# Altium PCB IIS_PCB.PcbDoc (part 2 of 3)
Units mil, origin at the board's own origin, x right, y up, seen from the top; angles counter-clockwise.
Board outline 5785 x 8565 mil, 6 copper layers (Top Layer, PWR Plane, Layer 1, Layer 2, GND Plane, Bottom Layer), stack 39 mil thick; 200 components, 151 nets, 747 pads, 194 vias.
Unrouted connection lines stored in the file: 14.
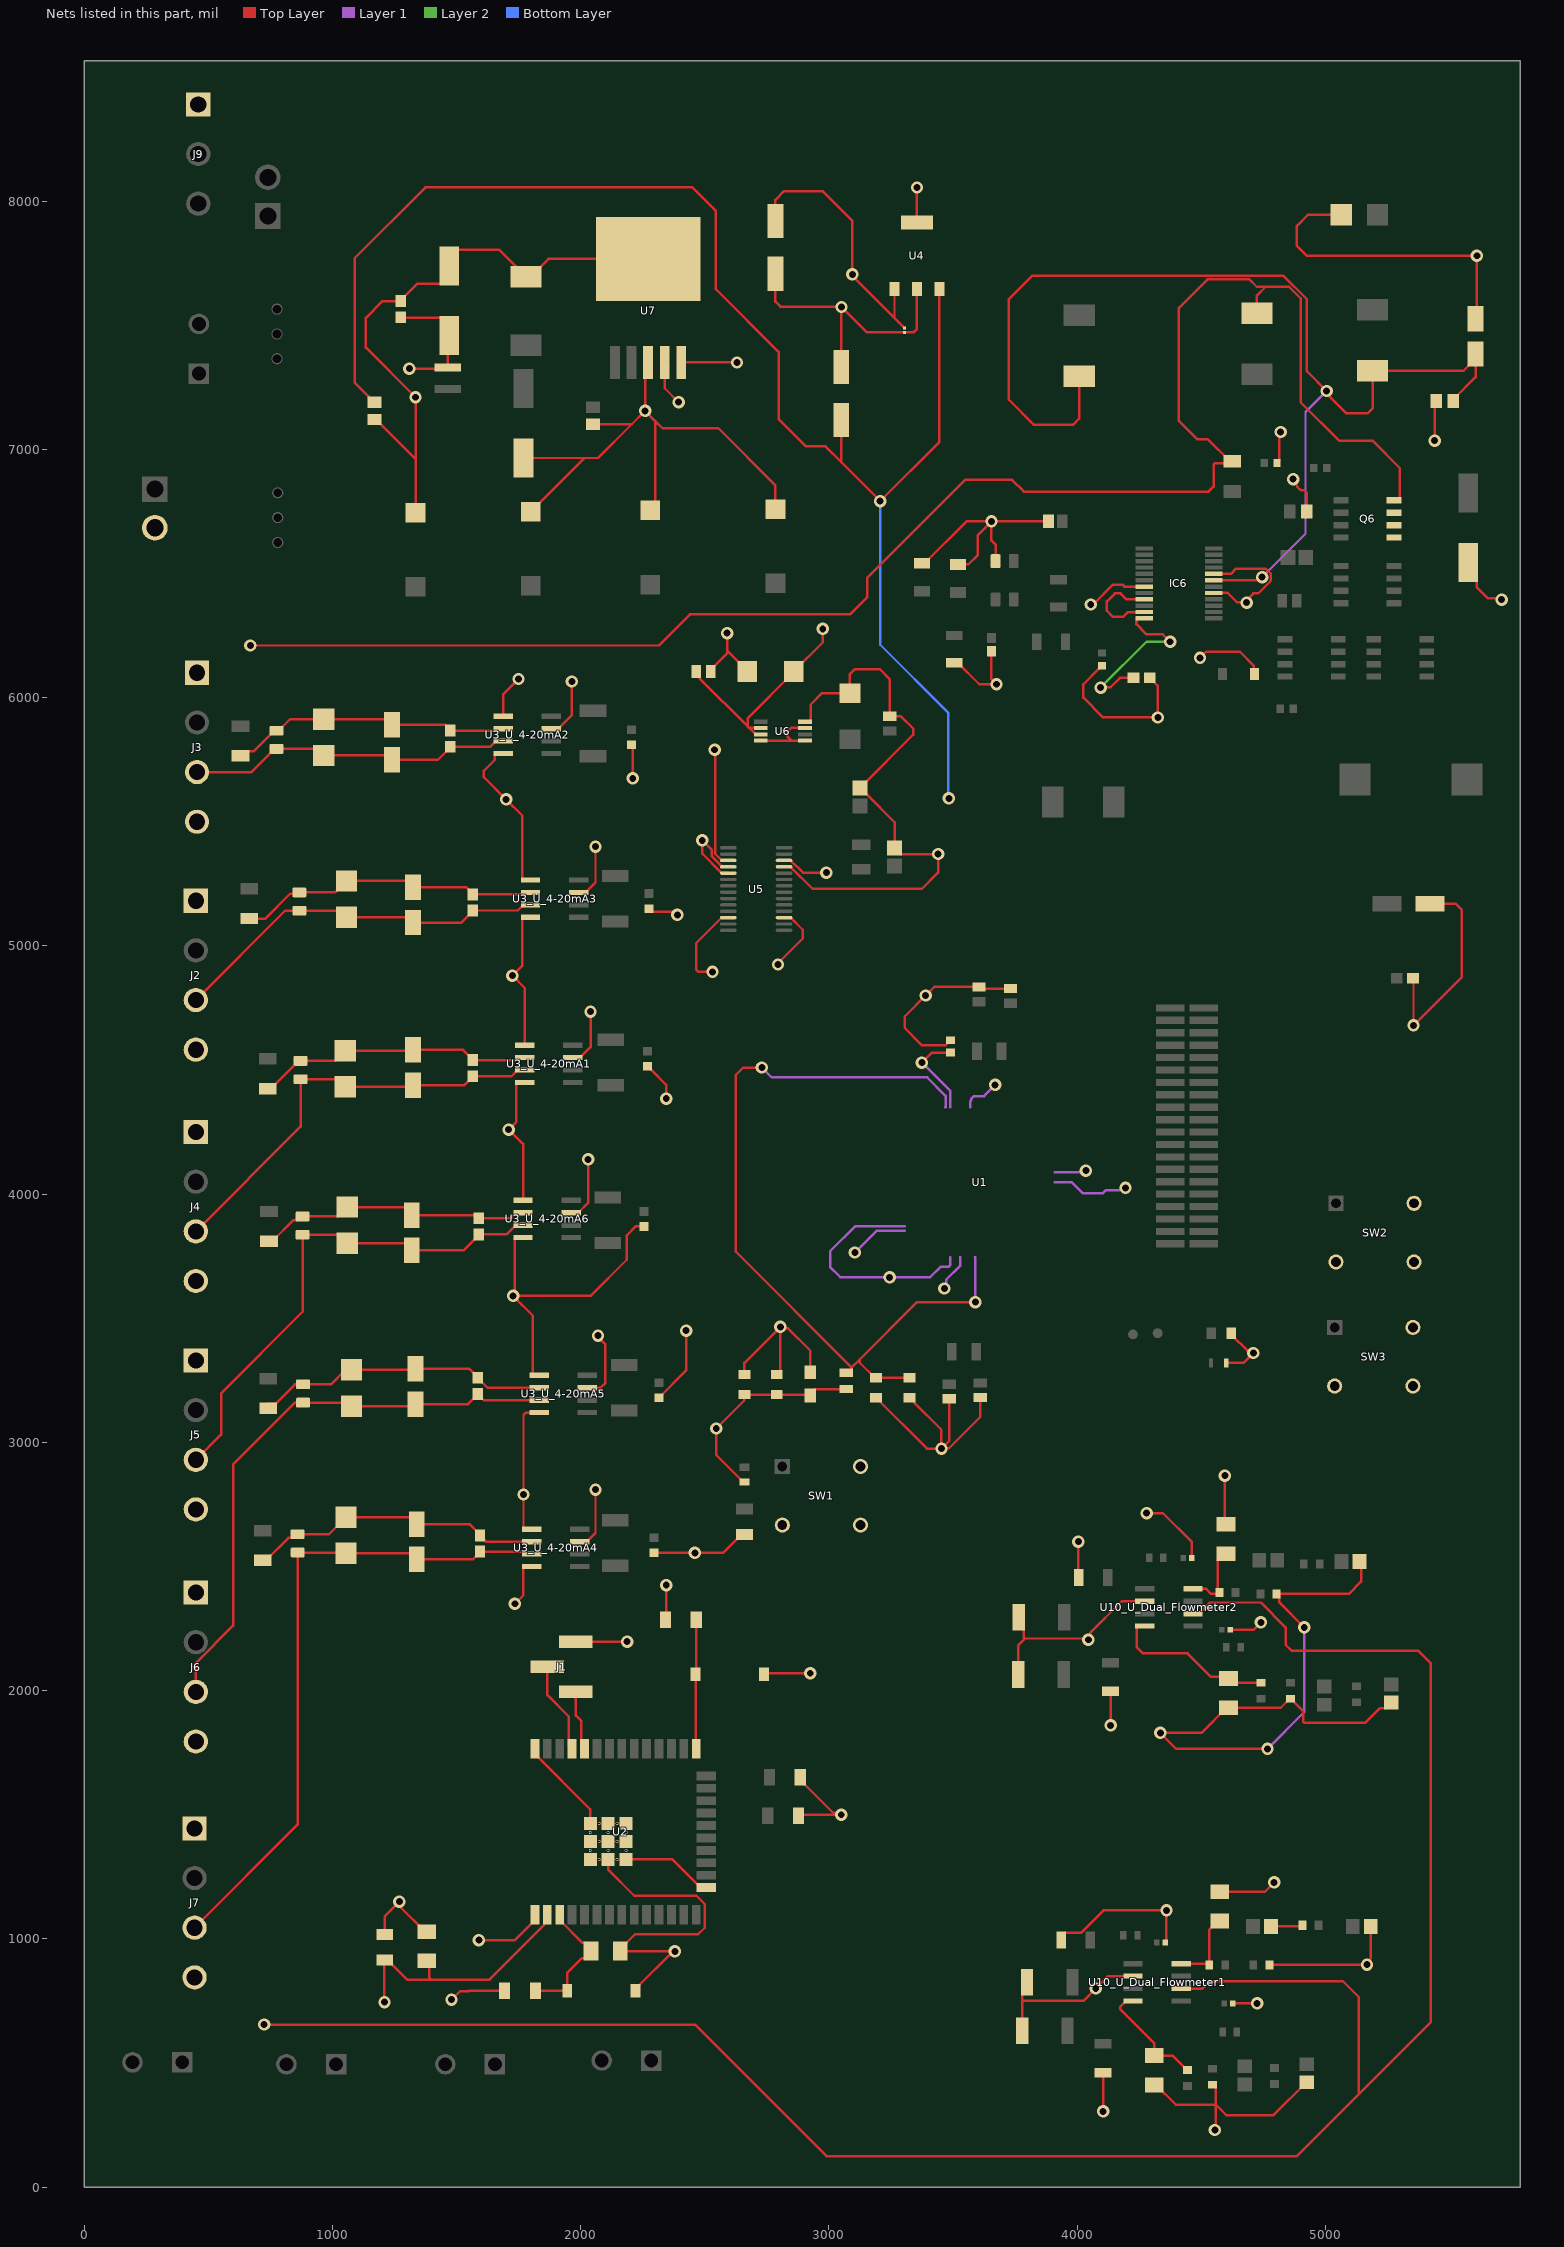
[diagram p6: the nets of this part, all layers, seen from the top]

## Part data (continued)
C12_U_4-20mA1 C12_U_4-20mA2 C12_U_4-20mA3 C12_U_4-20mA4 C12_U_4-20mA5 C12_U_4-20mA6 C18 C19 C23: "Multilayer Ceramic Capacitors (MLCC) - SMD/SMT 50volts 0.1uF X7R 10%", Capacitance=100nF, Case Code (Imperial)=0603, Case Code (Metric)=1608, Dielectric=X7R, Dielectric Material=Ceramic, Manufacturer=KEMET, Max Operating Temperature=125°C, Min Operating Temperature=-55°C, Package Quantity=1, Supplier Part Number 1=399-C0603C104K5RAC7867CT-ND, Tolerance=10%, Voltage=50V, Case/Package=0603, Category="Ceramic Capacitors", ComponentLink1Description=https://datasheet.ciiva.com/7823/kem-c1002-x7r-smd-7823591.pdf?src-supplier=Element14, ComponentLink1URL=https://datasheet.ciiva.com/7823/kem-c1002-x7r-smd-7823591.pdf?src-supplier=Element14, ComponentLink2Description=https://datasheet.ciiva.com/7823/kem-c1002-x7r-smd-7823592.pdf?src-supplier=Element14, ComponentLink2URL=https://datasheet.ciiva.com/7823/kem-c1002-x7r-smd-7823592.pdf?src-supplier=Element14, ComponentLink3Description=https://datasheet.ciiva.com/5999/kem-c1002-x7r-smd-5999400.pdf?src-supplier=Farnell, ComponentLink3URL=https://datasheet.ciiva.com/5999/kem-c1002-x7r-smd-5999400.pdf?src-supplier=Farnell, ComponentLink4Description=https://datasheet.ciiva.com/28645/1851736-28645640.pdf?src-supplier=Element14, ComponentLink4URL=https://datasheet.ciiva.com/28645/1851736-28645640.pdf?src-supplier=Element14, ComponentLink5Description=https://datasheet.ciiva.com/14585/70095383-14585209.pdf?src-supplier=Allied+Electronics, ComponentLink5URL=https://datasheet.ciiva.com/14585/70095383-14585209.pdf?src-supplier=Allied+Electronics, ComponentLink6Description=https://datasheet.ciiva.com/14602/70095383-14602583.pdf?src-supplier=Allied+Electronics, ComponentLink6URL=https://datasheet.ciiva.com/14602/70095383-14602583.pdf?src-supplier=Allied+Electronics, Contact Plating=Tin,Matte, Depth=0.8mm, Dissipation Factor=2.5%, Height=0.8mm, Lead Pitch=0.7mm, Length=0.063inch, Manufacturer Part Number=C0603C104K5RACTU, Mount="Surface Mount", Number of Pins=2, Packaging="Tape and Reel", Pricing 1="1=0.12000, 10=0.08500, 50=0.04620, 100=0.03770, 500=0.02696, 1000=0.02118 (USD)", Radiation Hardening=No, REACH SVHC="No SVHC", RoHS=Yes, RoHS Compliant=Yes, Series="SMD Comm X7R", Stock 1=10133409, Supplier 1=Digi-Key, Termination=SMD/SMT, Thickness=0.034inch, Voltage Rating=50V, Voltage Rating (DC)=50V, Width=0.031inch
C13 C14: library part C0603C104K5RACTU, "Multilayer Ceramic Capacitors (MLCC) - SMD/SMT 50volts 0.1uF X7R 10%", Capacitance=100nF, Case Code (Imperial)=0603, Case Code (Metric)=1608, Dielectric=X7R, Dielectric Material=Ceramic, Manufacturer=KEMET, Max Operating Temperature=125°C, Min Operating Temperature=-55°C, Package Quantity=1, Supplier Part Number 1=399-C0603C104K5RAC7867CT-ND, Tolerance=10%, Voltage=50V, Case/Package=0603, Category="Ceramic Capacitors", ComponentLink1Description=https://datasheet.ciiva.com/7823/kem-c1002-x7r-smd-7823591.pdf?src-supplier=Element14, ComponentLink1URL=https://datasheet.ciiva.com/7823/kem-c1002-x7r-smd-7823591.pdf?src-supplier=Element14, ComponentLink2Description=https://datasheet.ciiva.com/7823/kem-c1002-x7r-smd-7823592.pdf?src-supplier=Element14, ComponentLink2URL=https://datasheet.ciiva.com/7823/kem-c1002-x7r-smd-7823592.pdf?src-supplier=Element14, ComponentLink3Description=https://datasheet.ciiva.com/5999/kem-c1002-x7r-smd-5999400.pdf?src-supplier=Farnell, ComponentLink3URL=https://datasheet.ciiva.com/5999/kem-c1002-x7r-smd-5999400.pdf?src-supplier=Farnell, ComponentLink4Description=https://datasheet.ciiva.com/28645/1851736-28645640.pdf?src-supplier=Element14, ComponentLink4URL=https://datasheet.ciiva.com/28645/1851736-28645640.pdf?src-supplier=Element14, ComponentLink5Description=https://datasheet.ciiva.com/14585/70095383-14585209.pdf?src-supplier=Allied+Electronics, ComponentLink5URL=https://datasheet.ciiva.com/14585/70095383-14585209.pdf?src-supplier=Allied+Electronics, ComponentLink6Description=https://datasheet.ciiva.com/14602/70095383-14602583.pdf?src-supplier=Allied+Electronics, ComponentLink6URL=https://datasheet.ciiva.com/14602/70095383-14602583.pdf?src-supplier=Allied+Electronics, Contact Plating=Tin,Matte, Depth=0.8mm, Dissipation Factor=2.5%, Height=0.8mm, Lead Pitch=0.7mm, Length=0.063inch, Manufacturer Part Number=C0603C104K5RACTU, Mount="Surface Mount", Number of Pins=2, Packaging="Tape and Reel", Pricing 1="1=0.12000, 10=0.08500, 50=0.04620, 100=0.03770, 500=0.02696, 1000=0.02118 (USD)", Radiation Hardening=No, REACH SVHC="No SVHC", RoHS=Yes, RoHS Compliant=Yes, Series="SMD Comm X7R", Stock 1=10133409, Supplier 1=Digi-Key, Termination=SMD/SMT, Thickness=0.034inch, Voltage Rating=50V, Voltage Rating (DC)=50V, Width=0.031inch
C15 C17: "47ÂµF 35V Aluminum Electrolytic Capacitors Radial, Can - SMD 1000 Hrs @ 105Â°C", Package="RADIAL-2 Panasonic", Availability="In Stock", Check_prices=https://www.snapeda.com/parts/EEE-HA1V470AP/Panasonic/view-part/?ref=eda, MF=Panasonic, MP=EEE-HA1V470AP, Price=None, Purchase-URL=https://pricing.snapeda.com/search/part/EEE-HA1V470AP/?ref=eda, SnapEDA_Link=https://www.snapeda.com/parts/EEE-HA1V470AP/Panasonic/view-part/?ref=snap
C16 C44 C53: "0.1ÂµF Â±20% 50V Ceramic Capacitor Z5U 0805 _2012 Metric_", Package="2012 KEMET", Supplier Part Number 1=80-C0805C104Z5V, Availability=Unavailable, MF=KEMET, MP=C0805C104M5UACTU, Price=None, SnapEDA_Link=https://www.snapeda.com/parts/C0805C104M5UACTU/KEMET/view-part/455200/?ref=snap, Supplier 1=Mouser
C20_U_4-20mA1 C20_U_4-20mA2 C20_U_4-20mA3 C20_U_4-20mA4 C20_U_4-20mA5 C20_U_4-20mA6 C29: "Cap Aluminum Lytic 4.7uF 35V 20% (4 X 5.8mm) SMD 80mA 2000h 105C Automotive T/R", Capacitance=4.7uF, Case/Package=Radial, Dielectric Material=Aluminium, Leakage Current=3uA, Manufacturer=Nichicon, Max Operating Temperature=105°C, Min Operating Temperature=-55°C, Package Quantity=2000, Ripple Current=80mA, Supplier Part Number 1=493-2281-1-ND, Tolerance=20%, Voltage Rating=35V, Category="Aluminum Electrolytic Capacitors", ComponentLink1Description=https://datasheet.ciiva.com/96/e-ud-96647.pdf?src-supplier=Digi-Key, ComponentLink1URL=https://datasheet.ciiva.com/96/e-ud-96647.pdf?src-supplier=Digi-Key, ComponentLink2Description=https://datasheet.ciiva.com/96/e-ud-96648.pdf?src-supplier=Digi-Key, ComponentLink2URL=https://datasheet.ciiva.com/96/e-ud-96648.pdf?src-supplier=Digi-Key, ComponentLink3Description=https://datasheet.ciiva.com/96/e-ud-96649.pdf?src-supplier=Digi-Key, ComponentLink3URL=https://datasheet.ciiva.com/96/e-ud-96649.pdf?src-supplier=Digi-Key, ComponentLink4Description=https://datasheet.ciiva.com/5360/e-ud-5360520.pdf?src-supplier=Mouser, ComponentLink4URL=https://datasheet.ciiva.com/5360/e-ud-5360520.pdf?src-supplier=Mouser, ComponentLink5Description=https://datasheet.ciiva.com/11687/e-ud-11687388.pdf?src-supplier=Avnet, ComponentLink5URL=https://datasheet.ciiva.com/11687/e-ud-11687388.pdf?src-supplier=Avnet, ComponentLink6Description=https://datasheet.ciiva.com/16383/e-ud-16383407.pdf?src-supplier=Future+Electronics, ComponentLink6URL=https://datasheet.ciiva.com/16383/e-ud-16383407.pdf?src-supplier=Future+Electronics, ComponentLink7Description=https://datasheet.ciiva.com/7793/e-ud-7793429.pdf?src-supplier=Element14, ComponentLink7URL=https://datasheet.ciiva.com/7793/e-ud-7793429.pdf?src-supplier=Element14, ComponentLink8Description=https://datasheet.ciiva.com/17354/e-ud-17354680.pdf?src-supplier=Avnet+Europe, ComponentLink8URL=https://datasheet.ciiva.com/17354/e-ud-17354680.pdf?src-supplier=Avnet+Europe, Construction=Cylindrical, Diameter=4mm, Dissipation Factor=0.12%, Height=5.8mm, Height - Seated (Max)=0.228inch, Impedance=1.8R, Lead Free="Lead Free", Length=5.8mm, Life (Hours)=2000Hour, Manufacturer Part Number=UUD1V4R7MCL1GS, Number of Pins=2, Packaging="Tape and Reel", Pricing 1="1=0.51000, 10=0.35600, 50=0.24960, 100=0.21390, 500=0.16042, 1000=0.13547 (USD)", Radiation Hardening=No, REACH SVHC="No SVHC", Ripple Current (AC)=80mA, RoHS=Yes, RoHS Compliant=Yes, Series=UUD, Stock 1=5341, Supplier 1=Digi-Key, Termination=SMD/SMT, Voltage Rating (DC)=35V
C21_U_Dual_Flowmeter1 C21_U_Dual_Flowmeter2 C22_U_Dual_Flowmeter1 C22_U_Dual_Flowmeter2: "CAPACITOR SMD Multilayer Ceramic MLCC 1206 Case 2200pF ±10% 50Vdc X7R Dielectric -55°C~+125°C T/R", Capacitance=2.2nF, Case Code (Imperial)=1206, Case Code (Metric)=3216, Dielectric=X7R, Dielectric Material=Ceramic, Manufacturer=KEMET, Max Operating Temperature=125°C, Min Operating Temperature=-55°C, Package Quantity=1, Supplier Part Number 1=399-C1206C222K5RAC7800CT-ND, Tolerance=10%, Voltage=50V, Case/Package=1206, Category="Ceramic Capacitors", ComponentLink1Description=https://datasheet.ciiva.com/14589/70095383-14589254.pdf?src-supplier=Allied+Electronics, ComponentLink1URL=https://datasheet.ciiva.com/14589/70095383-14589254.pdf?src-supplier=Allied+Electronics, ComponentLink2Description=https://datasheet.ciiva.com/14606/70095383-14606284.pdf?src-supplier=Allied+Electronics, ComponentLink2URL=https://datasheet.ciiva.com/14606/70095383-14606284.pdf?src-supplier=Allied+Electronics, ComponentLink3Description=https://datasheet.ciiva.com/28693/1851736-28693015.pdf?src-supplier=Element14, ComponentLink3URL=https://datasheet.ciiva.com/28693/1851736-28693015.pdf?src-supplier=Element14, ComponentLink4Description=https://datasheet.ciiva.com/46443/1851736-46443542.pdf?src-supplier=Element14, ComponentLink4URL=https://datasheet.ciiva.com/46443/1851736-46443542.pdf?src-supplier=Element14, ComponentLink5Description=https://datasheet.ciiva.com/46385/1851736-46385639.pdf?src-supplier=Element14, ComponentLink5URL=https://datasheet.ciiva.com/46385/1851736-46385639.pdf?src-supplier=Element14, Construction=Flat, Depth=1.6mm, Height=0.78mm, Length=3.2mm, Manufacturer Part Number=C1206C222K5RACTU, Mount="Surface Mount,PCB", Packaging="Tape and Reel", Pricing 1="1=0.23000, 10=0.16000, 50=0.09600, 100=0.08110, 500=0.05548, 1000=0.04908 (USD)", Radiation Hardening=No, REACH SVHC="No SVHC", RoHS=Yes, RoHS Compliant=Yes, Series=C, Stock 1=27147, Supplier 1=Digi-Key, Termination=SMD/SMT, Thickness=0.035inch, Voltage Rating=50V, Voltage Rating (DC)=50V, Width=0.063inch
C24: "Aluminum Electrolytic Capacitor, 22uF 35 V, UD Series 2000h 5 (Dia.) x 5.8mm", Capacitance=22uF, Case/Package=Radial, Dielectric Material=Aluminium, Leakage Current=3uA, Manufacturer=Nichicon, Max Operating Temperature=105°C, Min Operating Temperature=-55°C, Package Quantity=1, Ripple Current=150mA, Supplier Part Number 1=647-UUD1V220MCL, Tolerance=20%, Voltage=35V, Category="Aluminum Electrolytic Capacitors", ComponentLink1Description=https://datasheet.ciiva.com/96/e-ch-ta-96798.pdf?src-supplier=Digi-Key, ComponentLink1URL=https://datasheet.ciiva.com/96/e-ch-ta-96798.pdf?src-supplier=Digi-Key, ComponentLink2Description=https://datasheet.ciiva.com/96/e-uud-96799.pdf?src-supplier=Digi-Key, ComponentLink2URL=https://datasheet.ciiva.com/96/e-uud-96799.pdf?src-supplier=Digi-Key, ComponentLink3Description=https://datasheet.ciiva.com/96/e-ch-ref-96800.pdf?src-supplier=Digi-Key, ComponentLink3URL=https://datasheet.ciiva.com/96/e-ch-ref-96800.pdf?src-supplier=Digi-Key, Diameter=5mm, Dissipation Factor=0.12%, Features="General Purpose", Height=5.8mm, Height - Seated (Max)=0.228inch, Impedance=760mR, Lead Diameter=0.8mm, Lead Free="Lead Free", Lead Pitch=1.3mm, Length=5.8mm, Life (Hours)=2000Hour, Manufacturer Part Number=UUD1V220MCL1GS, Number of Pins=2, Packaging="Tape and Reel", Polarity=Polar, Pricing 1="1=0.48000, 10=0.30200, 50=0.30200, 100=0.22000, 1000=0.16500, 10000=0.13800 (USD)", Radiation Hardening=No, REACH SVHC="No SVHC", Ripple Current (AC)=150mA, RoHS=Yes, RoHS Compliant=Yes, Stock 1=145, Supplier 1=Mouser, Termination=SMD/SMT, Voltage Rating=35V, Voltage Rating (DC)=35V
C25_U_Dual_Flowmeter1 C25_U_Dual_Flowmeter2 C26_U_Dual_Flowmeter1 C26_U_Dual_Flowmeter2 C27_U_Dual_Flowmeter1 C27_U_Dual_Flowmeter2 C28_U_Dual_Flowmeter1 C28_U_Dual_Flowmeter2: "0805 10 uF 25 V ±10% Tolerance X5R SMT Multilayer Ceramic Capacitor", Capacitance=10uF, Case Code (Imperial)=0805, Case Code (Metric)=2012, Dielectric=X5R, Manufacturer=Murata, Max Operating Temperature=85°C, Min Operating Temperature=-55°C, Package Quantity=1, Supplier Part Number 1=81-GRM21BR61E106KA3L, Tolerance=10%, Voltage=25V, Case/Package=0805, Category="Ceramic Capacitors", ComponentLink1Description=https://datasheet.ciiva.com/22774/1747469-22774396.pdf?src-supplier=Farnell, ComponentLink1URL=https://datasheet.ciiva.com/22774/1747469-22774396.pdf?src-supplier=Farnell, ComponentLink2Description=https://datasheet.ciiva.com/5424/product-5424327.pdf?src-supplier=Mouser, ComponentLink2URL=https://datasheet.ciiva.com/5424/product-5424327.pdf?src-supplier=Mouser, ComponentLink3Description=https://datasheet.ciiva.com/16440/grm21br61e106ka73l-16440627.pdf?src-supplier=Future+Electronics, ComponentLink3URL=https://datasheet.ciiva.com/16440/grm21br61e106ka73l-16440627.pdf?src-supplier=Future+Electronics, ComponentLink4Description=https://datasheet.ciiva.com/28584/626718-28584288.pdf?src-supplier=Element14, ComponentLink4URL=https://datasheet.ciiva.com/28584/626718-28584288.pdf?src-supplier=Element14, ComponentLink5Description=https://datasheet.ciiva.com/29199/454623-da-01-en-vs-kondensator-0805-29199615.pdf?src-supplier=Conrad, ComponentLink5URL=https://datasheet.ciiva.com/29199/454623-da-01-en-vs-kondensator-0805-29199615.pdf?src-supplier=Conrad, ComponentLink6Description=https://datasheet.ciiva.com/139/partnumbering-e-01-139182.pdf?src-supplier=Digi-Key, ComponentLink6URL=https://datasheet.ciiva.com/139/partnumbering-e-01-139182.pdf?src-supplier=Digi-Key, ComponentLink7Description=https://datasheet.ciiva.com/139/partnumbering-e-01-139183.pdf?src-supplier=Digi-Key, ComponentLink7URL=https://datasheet.ciiva.com/139/partnumbering-e-01-139183.pdf?src-supplier=Digi-Key, ComponentLink8Description=https://datasheet.ciiva.com/139/partnumbering-e-01-139184.pdf?src-supplier=Digi-Key, ComponentLink8URL=https://datasheet.ciiva.com/139/partnumbering-e-01-139184.pdf?src-supplier=Digi-Key, ComponentLink9Description=https://datasheet.ciiva.com/28584/626718-28584279.pdf?src-supplier=Element14, ComponentLink9URL=https://datasheet.ciiva.com/28584/626718-28584279.pdf?src-supplier=Element14, ComponentLink10Description=https://datasheet.ciiva.com/7719/1747469-7719093.pdf?src-supplier=Element14, ComponentLink10URL=https://datasheet.ciiva.com/7719/1747469-7719093.pdf?src-supplier=Element14, ComponentLink11Description=https://datasheet.ciiva.com/14116/grmseries-highdielectrictype-eng-14116376.pdf?src-supplier=Distrelec, ComponentLink11URL=https://datasheet.ciiva.com/14116/grmseries-highdielectrictype-eng-14116376.pdf?src-supplier=Distrelec, Construction=Flat, Depth=1.25mm, Height=1.25mm, Lead Free="Lead Free", Length=2mm, Manufacturer Part Number=GRM21BR61E106KA73L, Material=Ceramic, Mount="Surface Mount", Packaging="Tape and Reel", Pricing 1="1=0.24000, 10=0.16400, 50=0.16400, 100=0.08400, 1000=0.08400, 6000=0.07600, 9000=0.06200, 10000=0.06200, 24000=0.05400 (USD)", Radiation Hardening=No, REACH SVHC=Unknown, RoHS=Yes, RoHS Compliant=Yes, Series=GRM, Stock 1=513087, Supplier 1=Mouser, Termination=SMD/SMT, Thickness=0.053inch, Voltage Rating=25V, Voltage Rating (DC)=25V, Width=0.049inch
C31 C32 C33 C34: "ÐšÐ Ð«Ð¨ÐšÐ ÐšÐ›Ð®Ð§Ð•Ð’ÐÐ¯ 1000 Ð¼ÐºÐ¤ 20% 25 Ð’ Ð´Ð»Ñ Ð¿Ð¾Ð²ÐµÑ€Ñ…Ð½Ð¾ÑÑ‚Ð½Ð¾Ð³Ð¾ Ð¼Ð¾Ð½Ñ‚Ð°Ð¶Ð°", Package="RADIAL-2 Panasonic", Availability="In Stock", Check_prices=https://www.snapeda.com/parts/EEE-FT1E102UV/Panasonic/view-part/6178335/?ref=eda, MF="Panasonic Electronic Components", MP=EEE-FT1E102UV, Price=None, Purchase-URL=https://pricing.snapeda.com/search/part/EEE-FT1E102UV/?ref=eda, SnapEDA_Link=https://www.snapeda.com/parts/EEE-FT1E102UV/Panasonic/view-part/6178335/?ref=snap
C41: library part CMP-05427-000013-1, "CAP ALUM 220UF 20% 25V SMD", Capacitance=220uF, Leakage Current=55uA, Manufacturer=Panasonic, Package=HAF, Ripple Current=160mA, Temperature="-40°C to +105°C", Temperature Range High=+105°C, Temperature Range Low=-40°C, Tolerance=20%, Voltage=25V, Automotive=No, Category=Cap, ComponentLink2Description=Datasheet, ComponentLink2URL=https://industrial.panasonic.com/cdbs/www-data/pdf/RDE0000/ABA0000C1151.pdf, Device Class L1="Passive Components", Device Class L2=Capacitors, Device Class L3="Aluminum Electrolytic Capacitors", Digikey Description="CAP ALUM 220UF 20% 25V SMD", Dissipation Factor=16%, Height=10.5mm, Lead Free=Yes, Life=1000Hours, Manufacturer Part Number=EEE-HA1E221UP, Material=Aluminum, Mouser Description="Aluminum Electrolytic Capacitors - SMD 220UF 25V ELECT HA SMD", Octopart=https://octopart.com/eee-ha1e221up-panasonic-39481261, RoHS=TRUE, Voltage Rating=25V
C45: library part CMP-1036-04064-2, "CAP CER 0.022UF 50V X7R 0805", Capacitance="22 nF", Manufacturer=Yageo, Package=CC0805-0.85, Temperature="-30°C to +85°C", Temperature Characteristic=X7R, Temperature Range High=+85°C, Temperature Range Low=-30°C, Tolerance=0.1, Voltage Rating="50 V", Automotive=No, Category=Cap, ComponentLink2Description=Datasheet, ComponentLink2URL=http://www.yageo.com/documents/recent/UPY-GPHC_Y5V_6.3V-to-50V_8.pdf, Device Class L1="Passive Components", Device Class L2=Capacitors, Device Class L3="Ceramic Capacitors", Digikey Description="CAP CER 0.022UF 50V X7R 0805", Footprint Url=http://www.yageo.com/exep/pages/download/literatures/UPY-C_GEN_24.pdf, Height=0.95mm, Ipc Land Pattern Name=CAPC200125X85, Lead Free=Yes, Manufacturer Part Number=CC0805KRX7R9BB223, Material=Ceramic, Mouser Description="Multilayer Ceramic Capacitors MLCC - SMD/SMT 22nF 50V X7R 10%", Octopart=https://octopart.com/cc0805krx7r9bb223-yageo-39467761, RoHS=TRUE
C46 C48: library part CMP-1036-04552-2, "CAP CER 0.22UF 50V X7R 0805", Capacitance="0.22 μF", Manufacturer=KEMET, Package=C0805C-DN, Temperature="-55°C to +125°C", Temperature Characteristic=X7R, Temperature Coefficient=30ppm/°C, Temperature Range High=+125°C, Temperature Range Low=-55°C, Tolerance=0.1, Voltage Rating="50 V", Automotive=No, Category=Cap, ComponentLink2Description=Datasheet, ComponentLink2URL=https://content.kemet.com/datasheets/KEM_C1003_C0G_SMD.pdf, Device Class L1="Passive Components", Device Class L2=Capacitors, Device Class L3="Ceramic Capacitors", Digikey Description="CAP CER 0.22UF 50V X7R 0805", Height=0.88mm, Ipc Land Pattern Name=CAPC200125X78, Lead Free=Yes, Manufacturer Part Number=C0805C224K5RACTU, Material=Ceramic, Mouser Description="CAP CER 0.22UF 50V X7R 0805", Octopart=https://octopart.com/c0805c224k5ractu-kemet-144670, RoHS=TRUE
C47: library part CMP-03020-008221-1, "1206 C 68pF Ceramic Multilayer Capacitor; 50 VDC; +125degC; C0G Dielec; +/-5%", Capacitance="68 pF", Manufacturer=KEMET, Package=C1206C-EB, Temperature="-55°C to +150°C", Temperature Characteristic=C0G, Temperature Coefficient=15%, Temperature Range High=+150°C, Temperature Range Low=-55°C, Tolerance=0.05, Voltage Rating="50 V", Automotive=Yes, Automotive Grade="Grade 0", Category=Cap, ComponentLink2Description=Datasheet, ComponentLink2URL=https://content.kemet.com/datasheets/KEM_C1007_X8R_ULTRA_150C_SMD.pdf, Device Class L1="Passive Components", Device Class L2=Capacitors, Device Class L3="Ceramic Capacitors", Digikey Description="1206 C 68pF Ceramic Multilayer Capacitor; 50 VDC; +125degC; C0G Dielec; +/-5%", Height=0.88mm, Ipc Land Pattern Name=CAPC320160X78, Lead Free=Yes, Manufacturer Part Number=C1206C680J5GACTU, Material=Ceramic, Mouser Description="1206 C 68pF Ceramic Multilayer Capacitor; 50 VDC; +125degC; C0G Dielec; +/-5%", Octopart=https://octopart.com/c1206c680j5gactu-kemet-138975, RoHS=TRUE
C49: library part CMP-03020-017724-1, "CAP CER 47PF 50V C0G/NP0 1206", Capacitance="47 pF", Manufacturer=KEMET, Package=C1206C-EB, Temperature="-55°C to +150°C", Temperature Characteristic=C0G, Temperature Coefficient=15%, Temperature Range High=+150°C, Temperature Range Low=-55°C, Tolerance=0.05, Voltage Rating="50 V", Automotive=Yes, Automotive Grade="Grade 0", Category=Cap, ComponentLink2Description=Datasheet, ComponentLink2URL=https://content.kemet.com/datasheets/KEM_C1007_X8R_ULTRA_150C_SMD.pdf, Device Class L1="Passive Components", Device Class L2=Capacitors, Device Class L3="Ceramic Capacitors", Digikey Description="CAP CER 47PF 50V C0G/NP0 1206", Height=0.88mm, Ipc Land Pattern Name=CAPC320160X78, Lead Free=Yes, Manufacturer Part Number=C1206C470J5GACTU, Material=Ceramic, Mouser Description="Multilayer Ceramic Capacitors MLCC - SMD/SMT 50volts 47pF C0G 5%", Octopart=https://octopart.com/c1206c470j5gactu-kemet-96509, RoHS=TRUE
C50: library part CMP-2100-03600-2, "CAP CER 10000PF 50V X7R 0603", Capacitance="10 nF", Manufacturer=YAGEO, Package=CC0603-DA, Temperature="-55°C to +125°C", Temperature Characteristic=X7R, Temperature Coefficient=15%, Temperature Range High=+125°C, Temperature Range Low=-55°C, Tolerance=0.1, Voltage="50 V", Automotive=No, Category=Cap, ComponentLink2Description=Datasheet, ComponentLink2URL=http://www.yageo.com/documents/recent/UPY-GPHC_X7R_6.3V-to-50V_18.pdf, Device Class L1="Passive Components", Device Class L2=Capacitors, Device Class L3="Ceramic Capacitors", Digikey Description="CAP CER 10000PF 50V X7R 0603", Footprint Url=http://www.yageo.com/exep/pages/download/literatures/UPY-C_GEN_24.pdf, Height=0.9mm, Lead Free=Yes, Manufacturer Part Number=CC0603KRX7R9BB103, Material=Ceramic, Mouser Description="Multilayer Ceramic Capacitor, CC Series, 0.01 - F, - 10%, X7R, 50 V, 0603 [1608 Metric]", Octopart=https://octopart.com/cc0603krx7r9bb103-yageo-192938, RoHS=TRUE, Voltage Rating="50 V"
CA1 CA2: library part CMP-03017-000042-1, "CAP TANT 47UF 10% 16V 2312", Capacitance=47uF, Case Code (Imperial)=2312, Case Code (Metric)=6032, Case/Package=Molded, Dielectric Material=Tantalum, ESR (Equivalent Series Resistance)=1.2R, Leakage Current=7.5uA, Max Operating Temperature=125°C, Min Operating Temperature=-55°C, Package Quantity=1, Ripple Current=303mA, Tolerance=20%, Voltage=6V, Voltage Rating=16V, Depth=3.2mm, Dissipation Factor=6%, Failure Rate=0.001%, Features="General Purpose", Height=2.5mm, Height - Seated (Max)=0.11inch, Lead Free="Lead Free", Length=6mm, Life (Hours)=2000Hour, Mount="Surface Mount", Number of Pins=2, Packaging="Tape and Reel", Polarity=Polar, Radiation Hardening=No, REACH SVHC="No SVHC", RoHS Compliant=Yes, Termination=SMD/SMT, Voltage Rating (DC)=16V, Width=3.2mm
CA3 CA4: library part CMP-2007-00279-2, "CAP CER 0.1UF 50V X7R 0805", Capacitance="0.10 μF", Manufacturer=KEMET, Package=C0805C-DN, Temperature="-55°C to +125°C", Temperature Characteristic=X7R, Temperature Coefficient=30ppm/°C, Temperature Range High=+125°C, Temperature Range Low=-55°C, Tolerance=0.1, Voltage Rating="50 V", Automotive=No, Category=Cap, ComponentLink2Description=Datasheet, ComponentLink2URL=https://content.kemet.com/datasheets/KEM_C1003_C0G_SMD.pdf, Device Class L1="Passive Components", Device Class L2=Capacitors, Device Class L3="Ceramic Capacitors", Digikey Description="CAP CER 0.1UF 50V X7R 0805", Height=0.88mm, Ipc Land Pattern Name=CAPC200125X78, Lead Free=Yes, Manufacturer Part Number=C0805C104K5RACTU, Material=Ceramic, Mouser Description="Cap Ceramic 0.1uF 50V X7R 10% SMD 2.0 x 1.2 mm 125 C Paper T/R", Octopart=https://octopart.com/c0805c104k5ractu-kemet-143926, RoHS=TRUE
CA5 CA6: library part CMP-2007-04500-1, Manufacturer="AVX Interconnect / Elco", Part Number=08055A120JAT2A
CF3_U_4-20mA1 CF3_U_4-20mA2 CF3_U_4-20mA3 CF3_U_4-20mA4 CF3_U_4-20mA5 CF3_U_4-20mA6: "0603 1 uF 16 V Â±10% Tolerance X7R Automotive Multilayer Ceramic Capacitor", Package="1608 Murata", Supplier Part Number 1=81-GCM188R71C105KA4J, Availability="In Stock", Check_prices=https://www.snapeda.com/parts/GCM188R71C105KA64J/Murata%20Electronics%20North%20America/view-part/1755583/?ref=eda, MF=Murata, MP=GCM188R71C105KA64J, Price=None, SnapEDA_Link=https://www.snapeda.com/parts/GCM188R71C105KA64J/Murata%20Electronics%20North%20America/view-part/1755583/?ref=snap, Supplier 1=Mouser
CH1 CH2 CL1 CL2: library part CMP-2007-00448-2, "CAP CER 22PF 100V 5% NP0 0805", Capacitance="22 pF", Manufacturer=KEMET, Package=C0805C-DN, Temperature="-55°C to +125°C", Temperature Characteristic=C0G, Temperature Coefficient=30ppm/°C, Temperature Range High=+125°C, Temperature Range Low=-55°C, Tolerance=0.05, Voltage Rating="100 V", Automotive=No, Category=Cap, ComponentLink2Description=Datasheet, ComponentLink2URL=https://content.kemet.com/datasheets/KEM_C1003_C0G_SMD.pdf, Device Class L1="Passive Components", Device Class L2=Capacitors, Device Class L3="Ceramic Capacitors", Digikey Description="CAP CER 22PF 100V 5% NP0 0805", Height=0.88mm, Ipc Land Pattern Name=CAPC200125X78, Lead Free=Yes, Manufacturer Part Number=C0805C220J1GACTU, Material=Ceramic, Mouser Description="Multilayer Ceramic Capacitor, C Series, 22 Pf, - 5%, C0g / Np0, 100 V, 0805 [2012 Metric] Rohs Compliant: Yes", Octopart=https://octopart.com/c0805c220j1gactu-kemet-3791395, RoHS=TRUE
CR5: "No Description Available", Mfr_Name="Littelfuse Inc", Copyright="Copyright (C) 2021 Ultra Librarian. All rights reserved.", Manufacturer_Part_Number=1KSMB39CA, RefDes=RefDes, Type=DEV
CR6 CR7 CR8 CR9 U8 U9: "No Description Available", Mfr_Name=Vishay, Copyright="Copyright (C) 2021 Ultra Librarian. All rights reserved.", RefDes=RefDes, Type=DEV
  CR6 CR7 CR8 CR9: Manufacturer_Part_Number=SS34-E3/9AT
  U8 U9: Manufacturer_Part_Number=VF30100S-M3/4W
CU2: library part CMP-2006-00210-1, Manufacturer="AVX Interconnect / Elco", Part Number=TPCL475K010R5000
D1: "Schottky Diode", Arrow Part Number=SS34-E3/57T, Manufacturer_Name=Vishay, Mouser Part Number=625-SS34-E3, Supplier Part Number 1=SS34-E3/57TGICT-ND, Arrow Price/Stock=https://www.arrow.com/en/products/ss34-e357t/vishay, Datasheet Link=https://www.vishay.com/docs/88751/ss32.pdf, Height=2.62mm, Manufacturer_Part_Number=SS34-E3/57T, Mouser Price/Stock=https://www.mouser.co.uk/ProductDetail/Vishay-General-Semiconductor/SS34-E3-57T?qs=x2jpVgRnAtMC3f38kYWnRw%3D%3D, Supplier 1=Digi-Key
D3: library part CMP-1060-00416-1, "Zener Voltage Regulator, 500 mW, 2-Pin SOD-123, Pb-Free, Tape and Reel", Manufacturer="On Semiconductor", ComponentLink1Description="Manufacturer URL", ComponentLink1URL=http://www.onsemi.com/, ComponentLink2Description=Datasheet, ComponentLink2URL=http://www.onsemi.com/pub_link/Collateral/MMSZ4678T1-D.PDF, ComponentLink3Description="Package Specification", ComponentLink3URL=http://www.onsemi.com/pub_link/Collateral/425-04.PDF, DatasheetVersion="Rev. 9", Mounting Technology="Surface Mount", P Max (W)=0.5, PackageDescription="2-Pin SOD, Body 1.6 x 2.69 mm", PackageReference=SOD-123-2-425-04, PackageVersion="Rev. G, 10/2009", Packing="Tape and Reel", PartNumber=MMSZ4689T1G, RoHS=Pb-Free, VZ Typ (V)=5.1
F1_U_4-20mA1 F1_U_4-20mA2 F1_U_4-20mA3 F1_U_4-20mA4 F1_U_4-20mA5 F1_U_4-20mA6: "Fuse", Manufacturer_Name="Bel Circuit Protection", Arrow Part Number=0ZCJ0005FF2E, Arrow Price/Stock=https://www.arrow.com/en/products/0zcj0005ff2e/bel-group, Datasheet Link=https://www.belfuse.com/resources/datasheets/circuitprotection/ds-cp-0zcj-series.pdf, Height=0.85mm, Manufacturer_Part_Number=0ZCJ0005FF2E
IC6: "Integrated Circuit", Manufacturer_Name="Linear Technology", Mouser Part Number=584-LTC3780EG#PBF, Arrow Part Number=LTC3780EG#PBF, Arrow Price/Stock=https://www.arrow.com/en/products/ltc3780egpbf/linear-technology, Datasheet Link=https://datasheet.datasheetarchive.com/originals/distributors/Datasheets-SFU1/DSASFU10009110.pdf, Height=2mm, Manufacturer_Part_Number=LTC3780EG#PBF, Mouser Price/Stock=https://www.mouser.co.uk/ProductDetail/Analog-Devices-Linear-Technology/LTC3780EGPBF?qs=hVkxg5c3xu%252BOBZugU8NO3w%3D%3D
J1 JEPD1: Package=None, Availability=Unavailable, MF=Samtec, Price=None
  J1: MP=TSM-103-01-T-SV-P-TR
  JEPD1: MP=TFM-120-02-L-D
J2 J3 J4 J5 J6 J7: "Connector", Manufacturer_Name="Phoenix Contact", Mouser Part Number=651-1757268, Arrow Part Number=1757268, Arrow Price/Stock=https://www.arrow.com/en/products/1757268/phoenix-contact?region=nac, Datasheet Link=https://datasheet.datasheetarchive.com/originals/distributors/SFDatasheet-2/sf-00051651.pdf, Height=8.75mm, Manufacturer_Part_Number=1757268, Mouser Price/Stock=https://www.mouser.co.uk/ProductDetail/Phoenix-Contact/1757268?qs=uD%2FdkN7XIa2BicmSj3mD7g%3D%3D, Supplier 1=Mouser, Supplier Part Number 1=651-1757268
J8 J10: "Connector", Manufacturer_Name=Molex, Mouser Part Number=538-26-48-1025, Supplier Part Number 1=WM50008-02-ND, Datasheet Link=https://www.molex.com/pdm_docs/sd/026481025_sd.pdf, Height=14.68mm, Manufacturer_Part_Number=26-48-1025, Mouser Price/Stock=https://www.mouser.co.uk/ProductDetail/Molex/26-48-1025?qs=Vtbn2VVmZzHbNAFdpV%2FLOg%3D%3D, Supplier 1=Digi-Key
J9: "Connector", Manufacturer_Name="Phoenix Contact", Mouser Part Number=651-1757255, Arrow Part Number=1757255, Arrow Price/Stock=https://www.arrow.com/en/products/1757255/phoenix-contact?region=nac, Datasheet Link=https://datasheet.datasheetarchive.com/originals/distributors/SFDatasheet-2/sf-00051650.pdf, Height=8.75mm, Manufacturer_Part_Number=1757255, Mouser Price/Stock=https://www.mouser.co.uk/ProductDetail/Phoenix-Contact/1757255?qs=uD%2FdkN7XIa0ez8xszzicKg%3D%3D, Supplier 1=Mouser, Supplier Part Number 1=651-1757255
J11 J12 J13 J14 "JP 1": "2 Position Terminal Block Header, Male Pins, Shrouded _4 Side_ 0.200 _5.08mm_ 90Â°, Right Angle Through Hole", Package=None, Supplier Part Number 1=651-1757242, Digi-Key_Part_Number=277-1106-ND, Digi-Key_Purchase_URL=https://www.digikey.ch/product-detail/en/phoenix-contact/1757242/277-1106-ND/260474?utm_source=snapeda&utm_medium=aggregator&utm_campaign=symbol, MF="Phoenix Contact", MP=1757242, SnapEDA_Link=https://www.snapeda.com/parts/1757242/Phoenix%20Contact/view-part/228512/?ref=snap, Supplier 1=Mouser
L1: "FIXED IND 10UH 1280MA POWRTRNAUT", Package=None, Supplier Part Number 1=81-LQH3NPH101MMEL, Availability=Unavailable, MP=LQH3NPH101MMEL, Price=None, Supplier 1=Mouser
L3: library part CMP-02424-000578-1, "Commercial Inductors, High Saturation Series 4.7uH 10A 15mΩ 20%", Case/Package=5050, Current Rating=10A, DC Resistance (DCR)=15mR, Inductance=4.7uH, Inductance Tolerance=20%, Max Operating Temperature=125°C, Min Operating Temperature=-55°C, Package Quantity=500, Saturation Current=24A, Self Resonant Frequency=5MHz, Test Frequency=100kHz, Core Material=Metal, Depth=12.9mm, Height=3.5mm, Height - Seated (Max)=0.138inch, Lead Free="Lead Free", Length=13.2mm, Max DC Current=10A, Military Standard=Not, Mount="Surface Mount", Number of Pins=5050, Packaging="Tape and Reel", Radiation Hardening=No, RMS Current (Irms)=10A, Shielding=Shielded, Termination=SMD/SMT, Tolerance=20%, Width=0.508inch
"L VSW1": library part CMP-06042-008286-2, "Wire Wound Ferrite Inductor for General Circuits 4.7μH ±10% 1.2Ω 270mA 1210", Case Code (Imperial)=1210, Case Code (Metric)=3225, Current Rating=270mA, DC Resistance (DCR)=1.2R, Frequency=31MHz, Inductance=4.7uH, Inductance Tolerance=10%, Inductor Type=Wirewound, Max Operating Temperature=85°C, Min Operating Temperature=-25°C, Package Quantity=1, Test Frequency=1MHz, Case/Package=1210, Core Material=Ferrite, DC Current=270mA, Depth=2.7mm, Height=2mm, Height - Seated (Max)=0.087inch, Lead Free="Lead Free", Length=3.2mm, Max DC Current=270mA, Military Standard=Not, Mount="Surface Mount", Number of Pins=2, Packaging="Tape and Reel", Q Factor=20, Radiation Hardening=No, Rated Current-Max=270mA, REACH SVHC="No SVHC", Resistor Type=Wirewound, Self Resonant Frequency=31MHz, Series=LQH32M, Series Resistance=1.2R, Shielding=Unshielded, Termination=SMD/SMT, Tolerance=10%, Weight=0.000564oz, Width=2.5mm